# KiCad board GSTrackerOrderFile.kicad_pcb (continued)
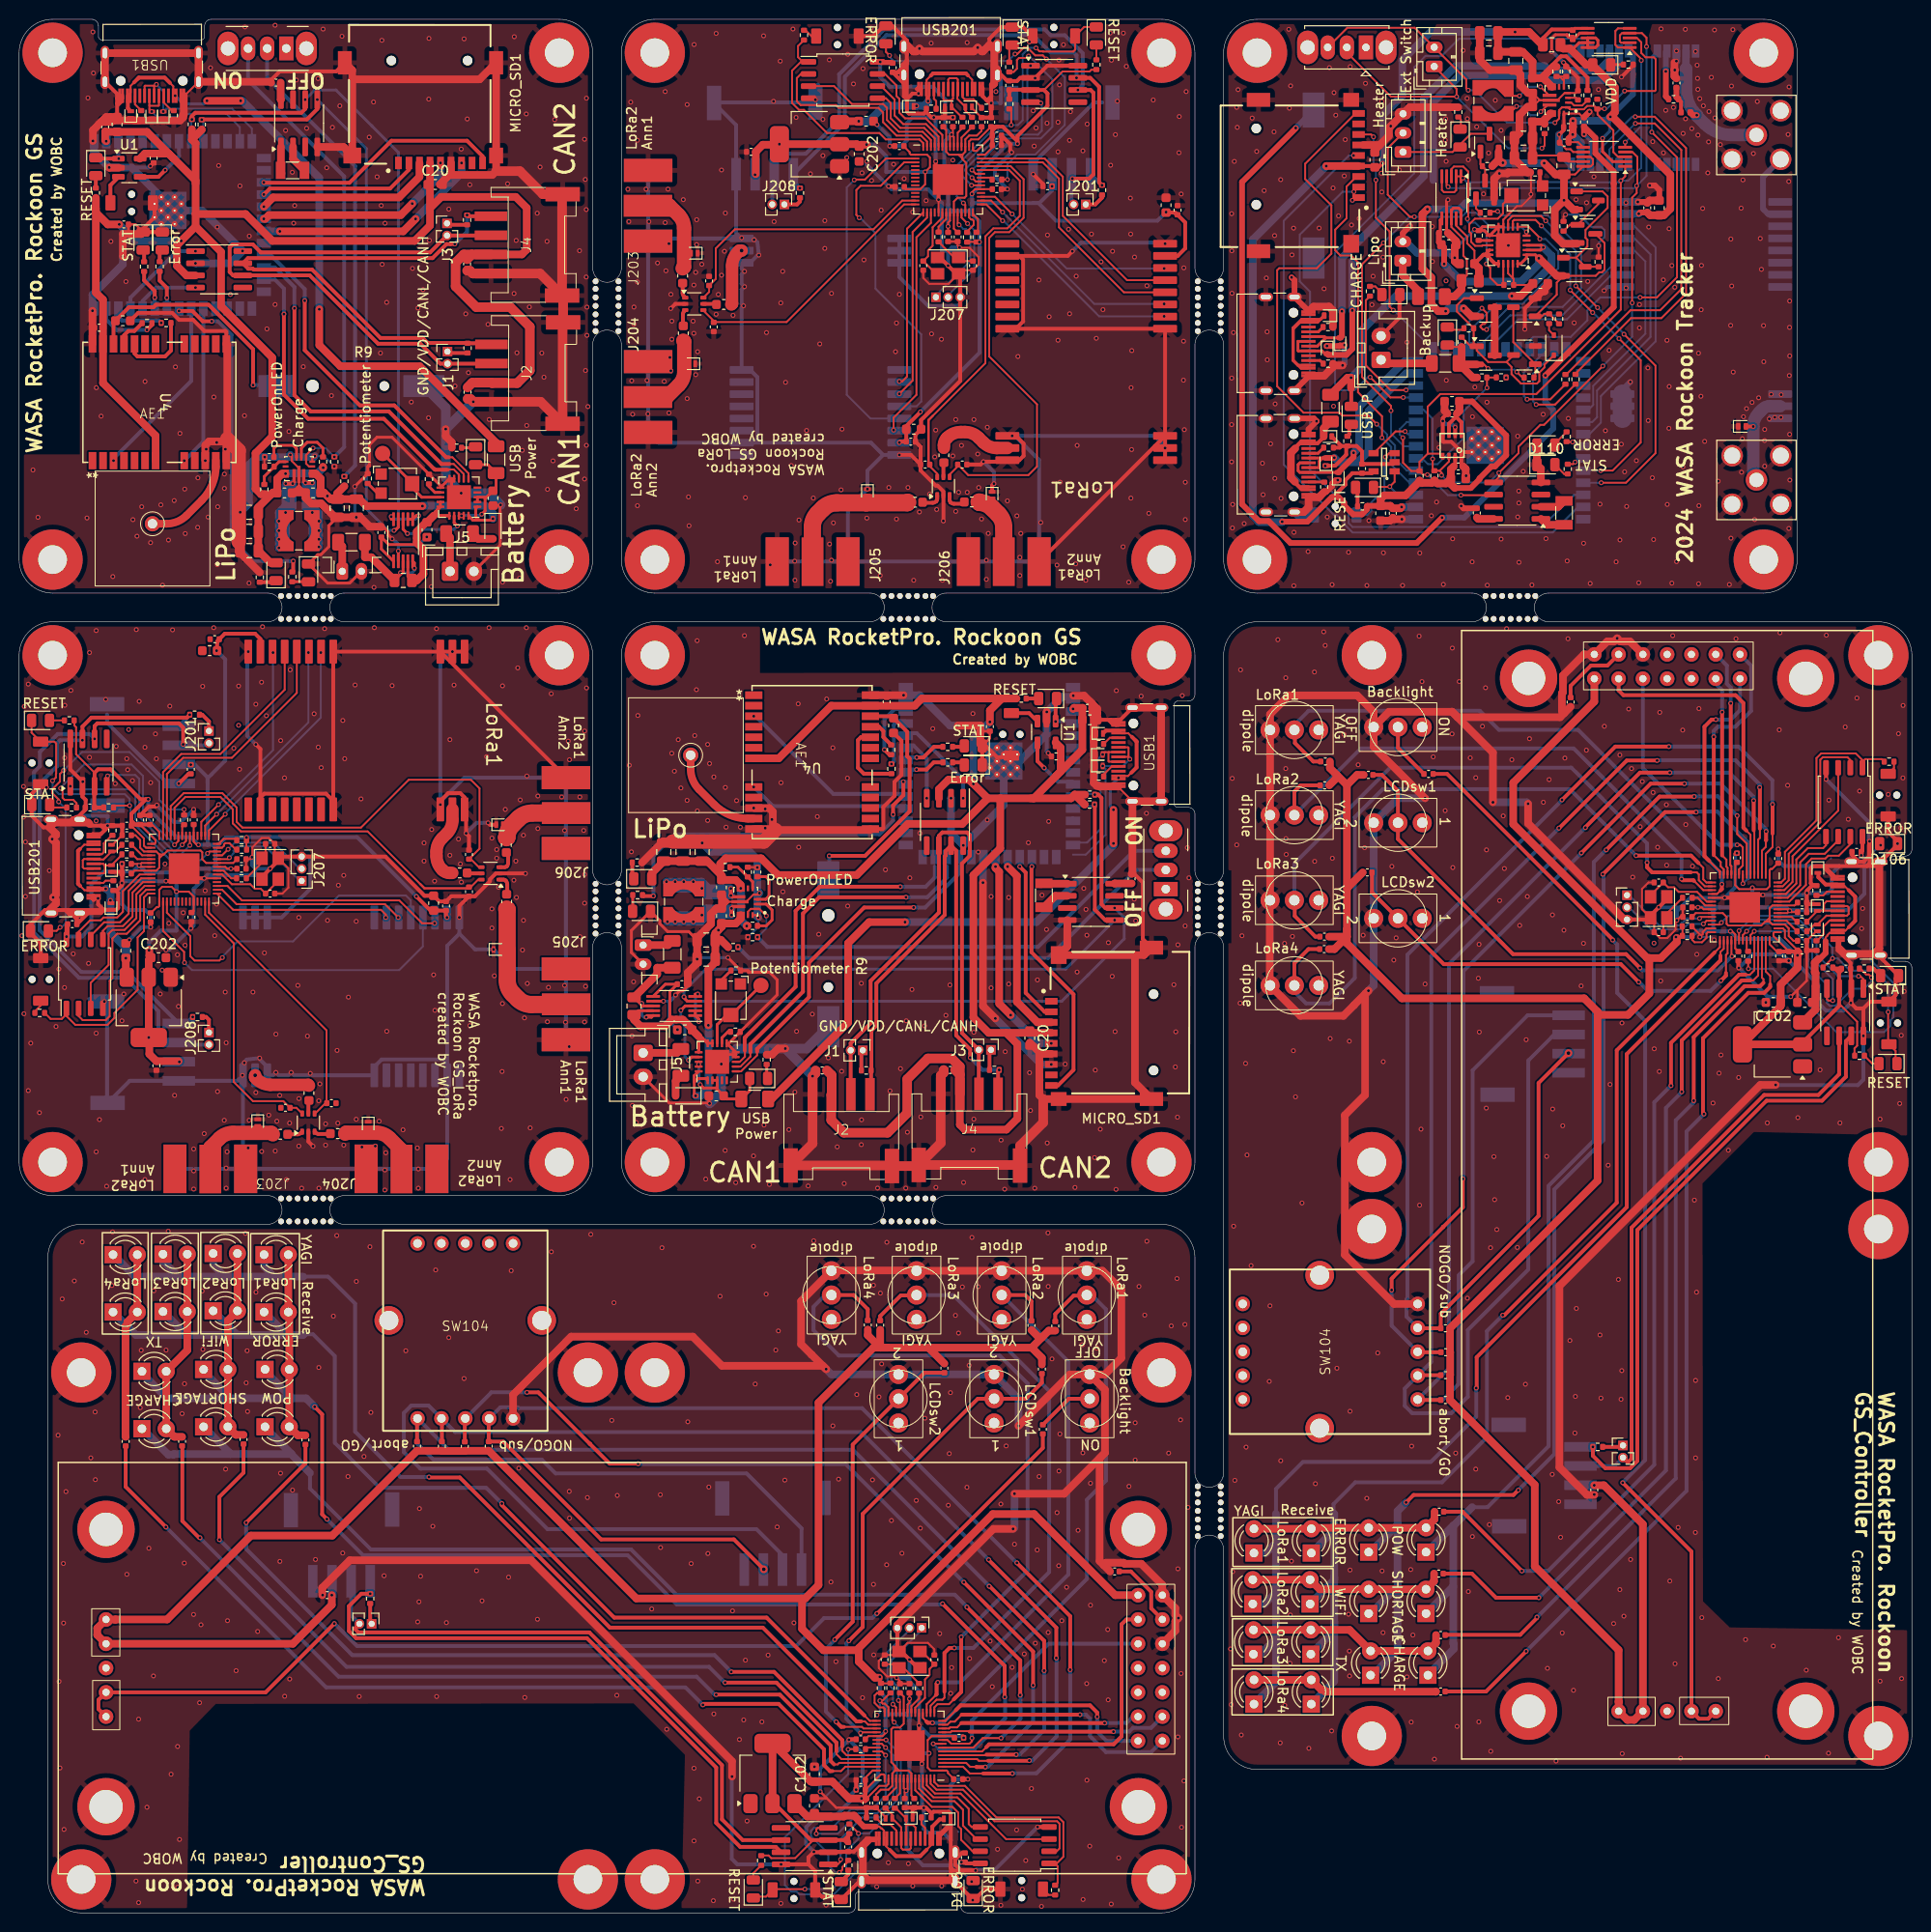
[diagram p0: board, top side]
## Placement (name value [footprint] x y rotation side) (continued)
J204  SMA  [SMA_aki]  62 158.5 0 top
J204#2  SMA  [SMA_aki]  40 74 90 top
J205  SMA  [SMA_aki]  61 95 180 top
J205#2  SMA  [SMA_aki]  83 137.5 90 top
J206  SMA  [SMA_aki]  103 137.5 90 top
J206#2  SMA  [SMA_aki]  61 115 180 top
J207  DEBUG  [PinHeader_1x03_P1.27mm_Vertical]  29.56 107.91 180 top
J207#2  DEBUG  [PinHeader_1x03_P1.27mm_Vertical]  95.9 168.94 90 top
J208  Jumper  [PinHeader_1x02_P1.27mm_Vertical]  80.05 178.64 270 top
J208#2  Jumper  [PinHeader_1x02_P1.27mm_Vertical]  19.86 92.05 0 top
J209  Conn_01x04_MountingPin  [Grove_4P_L_SMD]  78 185.5 0 bottom
J209#2  Conn_01x04_MountingPin  [Grove_4P_L_SMD]  13 90 90 bottom
L1  L  [L_Wuerth_WE-TPC-3816]  29.27 144.53 270 top
L1#2  L  [L_Wuerth_WE-TPC-3816]  69.52 105.73 180 top
L101  27nH, 300mA  [L_0402_1005Metric]  174.34 188.27 180 top
L102  L  [L_Wuerth_WE-TPC-3816]  154.2 189.5 180 top
lcd101  SC2004CSWB-XA-LB-G  [SC2004CSWB]  172.4 75.09 270 top
lcd101#2  SC2004CSWB-XA-LB-G  [SC2004CSWB]  63.09 25.6 180 top
LED1  USB Power  [LED_0805_2012Metric]  47.75 152.36 270 top
LED1#2  USB Power  [LED_0805_2012Metric]  77.36 87.25 180 top
LED2  CHARGE  [LED_0805_2012Metric]  30.27 140.11 270 top
LED2#2  CHARGE  [LED_0805_2012Metric]  65.11 104.72 180 top
LED3  VDD  [LED_0805_2012Metric]  65.24 108.12 0 top
LED3#2  VDD  [LED_0805_2012Metric]  26.88 140.24 90 top
LED101  USB Power  [LED_0805_2012Metric]  139.36 156.58 90 top
LED102  CHARGE  [LED_0805_2012Metric]  143.5 169.21 180 top
LED103  Backup Power  [LED_0805_2012Metric]  149.41 164.88 270 top
LED104  Heater  [LED_0805_2012Metric]  150.74 185.58 270 top
LED105  VDD  [LED_0805_2012Metric]  165.55 193.23 180 top
MICRO_SD1  -  [TF-01A]  115.15 93.09 90 top
MICRO_SD1#2  -  [TF-01A]  41.91 190.15 180 top
MICRO_SD101  -  [TF-01A]  132.95 181.59 270 top
NOREF  -  [unnamed]  62.7 166.25 90 top
NOREF#2  -  [unnamed]  30.92 135.3 0 top
NOREF#3  -  [unnamed]  125.7 39.4 90 top
NOREF#4  -  [unnamed]  62.7 107.6 90 top
NOREF#5  -  [unnamed]  92.14 135.3 0 top
NOREF#6  -  [unnamed]  60.3 106.81 90 top
NOREF#7  -  [unnamed]  125.7 41.14 90 top
NOREF#8  -  [unnamed]  93.92 72.3 0 top
NOREF#9  -  [unnamed#2]  77.6 96.97 0 top
NOREF#10  -  [unnamed]  125.7 104.14 90 top
NOREF#11  -  [unnamed]  90.4 137.7 0 top
NOREF#12  -  [unnamed]  60.3 170.6 90 top
NOREF#13  -  [unnamed]  92.14 72.3 0 top
NOREF#14  -  [unnamed]  62.7 103.25 90 top
NOREF#15  -  [unnamed]  125.7 102.4 90 top
NOREF#16  -  [unnamed]  30.92 74.7 0 top
NOREF#17  -  [unnamed]  123.3 42.92 90 top
NOREF#18  -  [unnamed]  125.7 40.25 90 top
NOREF#19  -  [unnamed]  60.3 105.92 90 top
NOREF#20  -  [unnamed]  125.7 107.6 90 top
NOREF#21  -  [unnamed]  90.4 135.3 0 top
NOREF#22  -  [unnamed]  60.3 102.4 90 top
NOREF#23  -  [unnamed]  125.7 168.92 90 top
NOREF#24  -  [unnamed]  31.81 74.7 0 top
NOREF#25  -  [unnamed]  62.7 165.4 90 top
NOREF#26  -  [unnamed]  91.25 137.7 0 top
NOREF#27  -  [unnamed]  62.7 167.14 90 top
NOREF#28  -  [unnamed]  94.81 135.3 0 top
NOREF#29  -  [unnamed]  123.3 43.81 90 top
NOREF#30  -  [unnamed]  29.14 74.7 0 top
NOREF#31  -  [unnamed]  95.6 137.7 0 top
NOREF#32  -  [unnamed]  95.6 72.3 0 top
NOREF#33  -  [unnamed]  62.7 104.14 90 top
NOREF#34  -  [unnamed]  156.92 135.3 0 top
NOREF#35  -  [unnamed]  31.81 137.7 0 top
NOREF#36  -  [unnamed]  123.3 103.25 90 top
NOREF#37  -  [unnamed]  123.3 105.92 90 top
NOREF#38  -  [unnamed]  125.7 42.03 90 top
NOREF#39  -  [unnamed]  29.14 137.7 0 top
NOREF#40  -  [unnamed]  125.7 42.92 90 top
NOREF#41  -  [unnamed]  153.4 137.7 0 top
NOREF#42  -  [unnamed]  158.6 135.3 0 top
NOREF#43  -  [unnamed]  123.3 169.81 90 top
NOREF#44  -  [unnamed]  93.92 137.7 0 top
NOREF#45  -  [unnamed]  62.7 102.4 90 top
NOREF#46  -  [unnamed]  62.7 170.6 90 top
NOREF#47  -  [unnamed]  93.03 72.3 0 top
NOREF#48  -  [unnamed]  90.4 74.7 0 top
NOREF#49  -  [unnamed]  30.92 72.3 0 top
NOREF#50  -  [unnamed]  123.3 44.6 90 top
NOREF#51  -  [unnamed]  62.7 168.03 90 top
NOREF#52  -  [unnamed]  123.3 167.14 90 top
NOREF#53  -  [unnamed]  28.25 137.7 0 top
NOREF#54  -  [unnamed]  60.3 167.14 90 top
NOREF#55  -  [unnamed]  153.4 135.3 0 top
NOREF#56  -  [unnamed]  30.92 137.7 0 top
NOREF#57  -  [unnamed]  125.7 106.81 90 top
NOREF#58  -  [unnamed]  154.25 137.7 0 top
NOREF#59  -  [unnamed]  123.3 170.6 90 top
NOREF#60  -  [unnamed#2]  38.02 152.6 90 top
NOREF#61  -  [unnamed]  125.7 168.03 90 top
NOREF#62  -  [unnamed]  123.3 105.03 90 top
NOREF#63  -  [unnamed]  30.03 74.7 0 top
NOREF#64  -  [unnamed]  62.7 106.81 90 top
NOREF#65  -  [unnamed]  60.3 168.03 90 top
NOREF#66  -  [unnamed]  32.6 135.3 0 top
NOREF#67  -  [unnamed]  125.7 166.25 90 top
NOREF#68  -  [unnamed]  60.3 103.25 90 top
NOREF#69  -  [unnamed]  92.14 74.7 0 top
NOREF#70  -  [unnamed]  157.81 135.3 0 top
NOREF#71  -  [unnamed]  125.7 105.92 90 top
NOREF#72  -  [unnamed]  29.14 72.3 0 top
NOREF#73  -  [unnamed]  93.03 135.3 0 top
NOREF#74  -  [unnamed]  60.3 104.14 90 top
NOREF#75  -  [unnamed]  123.3 42.03 90 top
NOREF#76  -  [unnamed]  95.6 74.7 0 top
NOREF#77  -  [unnamed]  31.81 135.3 0 top
NOREF#78  -  [unnamed]  27.4 72.3 0 top
NOREF#79  -  [unnamed]  93.92 135.3 0 top
NOREF#80  -  [unnamed]  60.3 107.6 90 top
NOREF#81  -  [unnamed]  123.3 41.14 90 top
NOREF#82  -  [unnamed]  28.25 74.7 0 top
NOREF#83  -  [unnamed]  123.3 166.25 90 top
NOREF#84  -  [unnamed]  123.3 106.81 90 top
NOREF#85  -  [unnamed]  125.7 170.6 90 top
NOREF#86  -  [unnamed]  125.7 105.03 90 top
NOREF#87  -  [unnamed]  157.81 137.7 0 top
NOREF#88  -  [unnamed]  123.3 165.4 90 top
NOREF#89  -  [unnamed]  30.03 135.3 0 top
NOREF#90  -  [unnamed]  125.7 165.4 90 top
NOREF#91  -  [unnamed]  155.14 137.7 0 top
NOREF#92  -  [unnamed]  32.6 72.3 0 top
NOREF#93  -  [unnamed]  125.7 103.25 90 top
NOREF#94  -  [unnamed]  93.92 74.7 0 top
NOREF#95  -  [unnamed]  92.14 137.7 0 top
NOREF#96  -  [unnamed]  123.3 104.14 90 top
NOREF#97  -  [unnamed]  91.25 135.3 0 top
NOREF#98  -  [unnamed]  95.6 135.3 0 top
NOREF#99  -  [unnamed]  60.3 166.25 90 top
NOREF#100  -  [unnamed]  94.81 137.7 0 top
NOREF#101  -  [unnamed]  155.14 135.3 0 top
NOREF#102  -  [unnamed]  123.3 40.25 90 top
NOREF#103  -  [unnamed]  93.03 137.7 0 top
NOREF#104  -  [unnamed]  156.03 137.7 0 top
NOREF#105  -  [unnamed]  125.7 169.81 90 top
NOREF#106  -  [unnamed]  123.3 39.4 90 top
NOREF#107  -  [unnamed]  90.4 72.3 0 top
NOREF#108  -  [unnamed]  91.25 72.3 0 top
NOREF#109  -  [unnamed]  60.3 105.03 90 top
NOREF#110  -  [unnamed]  91.25 74.7 0 top
NOREF#111  -  [unnamed]  125.7 44.6 90 top
NOREF#112  -  [unnamed]  156.03 135.3 0 top
NOREF#113  -  [unnamed]  60.3 168.92 90 top
NOREF#114  -  [unnamed]  28.25 72.3 0 top
NOREF#115  -  [unnamed]  29.14 135.3 0 top
NOREF#116  -  [unnamed]  62.7 169.81 90 top
NOREF#117  -  [unnamed]  125.7 167.14 90 top
NOREF#118  -  [unnamed]  60.3 169.81 90 top
NOREF#119  -  [unnamed]  123.3 168.92 90 top
NOREF#120  -  [unnamed]  94.81 74.7 0 top
NOREF#121  -  [unnamed]  125.7 43.81 90 top
NOREF#122  -  [unnamed]  27.4 74.7 0 top
NOREF#123  -  [unnamed]  32.6 74.7 0 top
NOREF#124  -  [unnamed]  123.3 107.6 90 top
NOREF#125  -  [unnamed]  30.03 137.7 0 top
NOREF#126  -  [unnamed]  28.25 135.3 0 top
NOREF#127  -  [unnamed]  60.3 165.4 90 top
NOREF#128  -  [unnamed]  158.6 137.7 0 top
NOREF#129  -  [unnamed]  27.4 137.7 0 top
NOREF#130  -  [unnamed]  94.81 72.3 0 top
NOREF#131  -  [unnamed]  93.03 74.7 0 top
NOREF#132  -  [unnamed]  62.7 105.92 90 top
NOREF#133  -  [unnamed]  30.03 72.3 0 top
NOREF#134  -  [unnamed]  123.3 102.4 90 top
NOREF#135  -  [unnamed]  62.7 168.92 90 top
NOREF#136  -  [unnamed]  62.7 105.03 90 top
NOREF#137  -  [unnamed]  31.81 72.3 0 top
NOREF#138  -  [unnamed]  156.92 137.7 0 top
NOREF#139  -  [unnamed]  154.25 135.3 0 top
NOREF#140  -  [unnamed]  32.6 137.7 0 top
NOREF#141  -  [unnamed]  123.3 168.03 90 top
NOREF#142  -  [unnamed]  27.4 135.3 0 top
Q101  Q_NMOS_GSD  [SOT-23-3]  157.47 162.89 180 top
Q102  Q_NMOS_GSD  [SOT-23-3]  157.45 167.89 180 top
Q103  Q_PMOS_GSD  [SOT-23]  153.42 162.86 0 top
Q104  Q_PMOS_GSD  [SOT-23]  153.43 167.89 0 top
Q105  Q_PNP_BEC  [SOT-23-3]  164.07 179.05 0 top
Q106  Q_PNP_BEC  [SOT-23-3]  162.69 172.12 0 top
Q107  Q_PMOS_GSD  [SOT-23]  163.96 175.56 0 top
Q108  Q_NPN_BEC  [SOT-23]  153.35 180.2 90 top
Q109  Q_PMOS_GSD  [SOT-23]  153.82 185.09 90 top
R1  22k  [R_0402_1005Metric]  16.17 187.94 270 top
R1#2  22k  [R_0402_1005Metric]  112.94 118.82 180 top
R2  22k  [R_0402_1005Metric]  12.77 187.94 270 top
R2#2  22k  [R_0402_1005Metric]  112.94 122.22 180 top
R3  470  [R_0402_1005Metric]  104.84 126.97 0 top
R3#2  470  [R_0402_1005Metric]  8.02 179.84 90 top
R4  470  [R_0402_1005Metric]  97.15 120.3 0 top
R4#2  470  [R_0402_1005Metric]  14.7 172.15 90 top
R5  10k  [R_0402_1005Metric]  112.01 116.93 0 top
R5#2  10k  [R_0402_1005Metric]  18.08 187.01 90 top
R6  470  [R_0402_1005Metric]  13.08 172.14 90 top
R6#2  470  [R_0402_1005Metric]  97.14 121.93 0 top
R7  10k  [R_0402_1005Metric]  19.1 186.99 90 top
R7#2  10k  [R_0402_1005Metric]  111.99 115.9 0 top
R8  33  [R_0402_1005Metric]  13.38 166.22 180 top
R8#2  33  [R_0402_1005Metric]  91.23 121.62 90 top
R9  33  [R_0402_1005Metric]  91.25 119.62 270 top
R9#2  33  [R_0402_1005Metric]  15.38 166.25 0 top
R10  120  [R_0402_1005Metric]  46.91 163.62 90 top
R10#2  120  [R_0402_1005Metric]  88.62 88.09 0 top
R11  120  [R_0402_1005Metric]  46.86 177.02 90 top
R11#2  120  [R_0402_1005Metric]  102.02 88.14 0 top
R12  1k  [R_0402_1005Metric]  78.2 89.22 90 top
R12#2  1k  [R_0402_1005Metric]  45.77 153.2 180 top
R13  1k  [R_0402_1005Metric]  74.98 98.53 0 top
R13#2  1k  [R_0402_1005Metric]  36.47 149.97 90 top
R14  100k  [R_0402_1005Metric]  74.92 92.13 0 top
R14#2  100k  [R_0402_1005Metric]  42.87 149.93 90 top
R15  10k  [R_0402_1005Metric]  74.69 100.97 0 top
R15#2  10k  [R_0402_1005Metric]  34.02 149.69 90 top
R16  1k  [R_0402_1005Metric]  28.58 139.7 90 top
R16#2  1k  [R_0402_1005Metric]  64.7 106.43 0 top
R17  100k  [R_0402_1005Metric]  32.98 151.74 270 top
R17#2  100k  [R_0402_1005Metric]  76.74 102.03 180 top
R18  50mΩ  [R_0805_2012Metric]  64.33 94.82 90 top
R18#2  50mΩ  [R_0805_2012Metric]  40.18 139.32 180 top
R19  100k  [R_0402_1005Metric]  31.79 151.72 90 top
R19#2  100k  [R_0402_1005Metric]  76.73 103.21 0 top
R20  15k  [R_0402_1005Metric]  26.17 151.22 0 top
R20#2  15k  [R_0402_1005Metric]  76.23 108.83 270 top
R21  47k  [R_0402_1005Metric]  25.65 148.85 270 top
R21#2  47k  [R_0402_1005Metric]  73.85 109.35 180 top
R22  1k  [R_0402_1005Metric]  64.65 109.82 0 top
R22#2  1k  [R_0402_1005Metric]  25.17 139.65 90 top
R101  10k  [R_0402_1005Metric]  86.85 8.78 90 top
R101#2  22k  [R_0402_1005Metric]  136.92 165.82 0 top
R101#3  10k  [R_0402_1005Metric]  189.22 98.85 180 top
R102  1k  [R_0402_1005Metric]  192.53 89.63 0 top
R102#2  1k  [R_0402_1005Metric]  77.63 5.47 270 top
R102#3  22k  [R_0402_1005Metric]  136.93 161.99 0 top
R103  22k  [R_0402_1005Metric]  188.02 101.14 270 top
R103#2  10  [R_0402_1005Metric]  173.07 189.64 0 top
R103#3  22k  [R_0402_1005Metric]  89.14 9.98 180 top
R104  22k  [R_0402_1005Metric]  188.02 106.9 90 top
R104#2  22k  [R_0402_1005Metric]  94.9 9.98 0 top
R104#3  33  [R_0402_1005Metric]  162.81 160.36 90 top
R105  33  [R_0402_1005Metric]  161.76 160.35 90 top
R105#2  1k  [R_0402_1005Metric]  108.38 2.38 270 top
R105#3  1k  [R_0402_1005Metric]  195.62 120.38 0 top
R106  22k  [R_0402_1005Metric]  136.98 153.21 0 top
R107  22k  [R_0402_1005Metric]  136.53 149.09 270 top
R108  470  [R_0402_1005Metric]  140.52 147.07 180 top
R108#2  1k  [R_0402_1005Metric]  174.52 106.14 0 top
R108#3  1k  [R_0402_1005Metric]  94.14 23.48 270 top
R109  470  [R_0402_1005Metric]  161.88 154.35 90 top
R109#2  10k  [R_0402_1005Metric]  91.15 23.51 270 top
R109#3  10k  [R_0402_1005Metric]  174.49 103.15 0 top
R110  1k  [R_0402_1005Metric]  86.74 4.98 270 top
R110#2  1k  [R_0402_1005Metric]  193.02 98.74 0 top
R110#3  10k  [R_0402_1005Metric]  146.49 150.26 90 top
R111  10k  [R_0402_1005Metric]  90.16 23.5 270 top
R111#2  10k  [R_0402_1005Metric]  174.5 102.16 0 top
R111#3  470  [R_0402_1005Metric]  162 150.97 270 top
R112  1k  [R_0402_1005Metric]  180.88 100.03 270 top
R112#2  1k  [R_0402_1005Metric]  88.03 17.12 180 top
R112#3  10k  [R_0402_1005Metric]  148.05 150.28 90 top
R113  47k  [C_0402_1005Metric]  107.09 50.56 270 top
R113#2  47k  [C_0402_1005Metric]  147.44 119.09 0 top
R113#3  1k  [R_0402_1005Metric]  138.95 153.89 270 top
R114  1k  [C_0402_1005Metric]  114.6 35.7 0 top
R114#2  1k  [R_0402_1005Metric]  141.31 169.56 270 top
R114#3  1k  [C_0402_1005Metric]  162.3 126.6 90 top
R115  1k  [R_0402_1005Metric]  158.59 181.99 180 top
R115#2  1k  [C_0402_1005Metric]  11.15 49.3 90 top
R115#3  1k  [C_0402_1005Metric]  148.7 23.15 180 top
R116  1k  [C_0402_1005Metric]  17.05 49.3 90 top
R116#2  47k  [R_0402_1005Metric]  153.03 160.54 0 top
R116#3  1k  [C_0402_1005Metric]  148.7 29.05 180 top
R117  10k  [R_0402_1005Metric]  155.04 160.55 0 top
R117#2  1k  [C_0402_1005Metric]  148.5 35.47 180 top
R117#3  1k  [C_0402_1005Metric]  23.48 49.5 90 top
R118  100k  [R_0402_1005Metric]  152.68 175.39 90 top
R118#2  1k  [C_0402_1005Metric]  29.95 49.46 90 top
R118#3  1k  [C_0402_1005Metric]  148.54 41.95 180 top
R119  1k  [R_0402_1005Metric]  151.65 165.69 180 top
R119#2  47k  [C_0402_1005Metric]  149.2 61.12 180 top
R119#3  47k  [C_0402_1005Metric]  49.12 48.8 90 top
R120  47k  [C_0402_1005Metric]  149.22 58.62 180 top
R120#2  47k  [C_0402_1005Metric]  46.62 48.78 90 top
R120#3  100k  [R_0402_1005Metric]  155.83 170.22 180 top
R121  100k  [R_0402_1005Metric]  157.95 160.53 0 top
R121#2  47k  [C_0402_1005Metric]  44.23 48.8 90 top
R121#3  47k  [C_0402_1005Metric]  149.2 56.22 180 top
R122  47k  [C_0402_1005Metric]  41.62 48.8 90 top
R122#2  47k  [C_0402_1005Metric]  149.2 53.62 180 top
R122#3  100k  [R_0402_1005Metric]  150.9 164.25 90 top
R123  47k  [C_0402_1005Metric]  141.14 118.99 0 top
R123#2  10k  [R_0402_1005Metric]  160.05 166.69 90 top
R123#3  47k  [C_0402_1005Metric]  106.99 56.86 270 top
R124  47k  [C_0402_1005Metric]  141.04 108.79 0 top
R124#2  47k  [C_0402_1005Metric]  96.79 56.96 270 top
R124#3  100k  [R_0402_1005Metric]  161.09 166.67 90 top
R125  100k  [R_0402_1005Metric]  161.56 176.36 90 top
R125#2  47k  [C_0402_1005Metric]  136.64 120.39 180 top
R125#3  47k  [C_0402_1005Metric]  108.39 61.36 90 top
R126  47k  [C_0402_1005Metric]  136.58 117.9 180 top
R126#2  100k  [R_0402_1005Metric]  165.23 172.63 90 top
R126#3  47k  [C_0402_1005Metric]  105.9 61.43 90 top
R127  10k  [R_0402_1005Metric]  153.36 177.77 0 top
R127#2  47k  [C_0402_1005Metric]  90.08 61.45 90 top
R127#3  47k  [C_0402_1005Metric]  136.55 102.07 180 top
R128  100k  [R_0402_1005Metric]  153.58 182.64 180 top
R128#2  47k  [C_0402_1005Metric]  88.77 61.47 90 top
R128#3  47k  [C_0402_1005Metric]  136.53 100.78 180 top
R129  120  [R_0402_1005Metric]  36.73 32.86 90 top
R129#2  120  [R_0402_1005Metric]  165.14 48.72 180 top
R129#3  1k  [R_0402_1005Metric]  150.55 188.29 270 top
R130  50mΩ  [R_0805_2012Metric]  161.6 182.69 90 top
R131  10k  [R_0402_1005Metric]  159.58 186.55 90 top
R132  330k  [R_0402_1005Metric]  165.09 189.13 90 top
R133  50mΩ  [R_0805_2012Metric]  151.79 170.66 180 top
R134  100k  [R_0402_1005Metric]  164.07 190.05 270 top
R135  15k  [R_0402_1005Metric]  161.84 192.53 270 top
R136  47k  [R_0402_1005Metric]  160.83 192.53 90 top
R137  50mΩ  [R_0805_2012Metric]  160.32 195.33 0 top
R138  1k  [R_0402_1005Metric]  168.34 193.26 0 top
R201  120  [R_0402_1005Metric]  113.28 180.14 90 top
R201#2  120  [R_0402_1005Metric]  18.36 125.28 180 top
R202  10k  [R_0402_1005Metric]  103.58 189.14 270 top
R202#2  10k  [R_0402_1005Metric]  9.36 115.58 0 top
R203  1k  [R_0402_1005Metric]  112.69 193.25 90 top
R203#2  1k  [R_0402_1005Metric]  5.25 124.69 180 top
R204  22k  [R_0402_1005Metric]  9.76 113.18 90 top
R204#2  22k  [R_0402_1005Metric]  101.18 188.74 0 top
R205  22k  [R_0402_1005Metric]  95.42 188.64 180 top
R205#2  22k  [R_0402_1005Metric]  9.86 107.42 270 top
R206  1k  [R_0402_1005Metric]  82.11 196.34 90 top
R206#2  1k  [R_0402_1005Metric]  2.16 94.1 180 top
R207  22.4  [R_0402_1005Metric]  11.26 110.68 0 top
R207#2  22.4  [R_0402_1005Metric]  98.68 187.24 270 top
R207#3  22.4  [R_0402_1005Metric]  91.61 11.46 90 top
R207#4  22.4  [R_0402_1005Metric]  186.5 103.64 180 top
R208  22.4  [R_0402_1005Metric]  11.26 111.68 0 top
R208#2  22.4  [R_0402_1005Metric]  90.63 11.47 90 top
R208#3  22.4  [R_0402_1005Metric]  186.5 102.64 180 top
R208#4  22.4  [R_0402_1005Metric]  99.68 187.24 270 top
R209  1k  [R_0402_1005Metric]  96.18 175.24 90 top
R209#2  1k  [R_0402_1005Metric]  23.26 108.18 180 top
R210  10k  [R_0402_1005Metric]  99.17 175.21 90 top
R210#2  10k  [R_0402_1005Metric]  23.29 111.17 180 top
R211  1k  [R_0402_1005Metric]  5.49 115.58 180 top
R211#2  1k  [R_0402_1005Metric]  103.58 193.01 90 top
R212  10k  [R_0402_1005Metric]  23.28 112.16 180 top
R212#2  10k  [R_0402_1005Metric]  100.16 175.22 90 top
R213  1k  [R_0402_1005Metric]  102.29 181.24 0 top
R213#2  1k  [R_0402_1005Metric]  17.26 114.29 90 top
R214  120  [R_0402_1005Metric]  18.66 93.68 180 top
R214#2  120  [R_0402_1005Metric]  81.68 179.84 90 top
REF**  -  [Board_1U_60x60]  30 105 90 top
REF**#2  -  [Board_2U_120x60]  63 30 180 top
REF**#3  -  [Board_1U_60x60]  156 168 0 top
REF**#4  -  [Board_1U_60x60]  93 168 0 top
REF**#5  -  [Board_1U_60x60]  30 168 90 top
REF**#6  -  [Board_2U_120x60]  168 75 270 top
REF**#7  -  [Board_1U_60x60]  93 105 0 top
RV1  10k  [Potentiometer_Bourns_TC33X_Vertical]  39.67 149.45 0 top
RV1#2  10k  [Potentiometer_Bourns_TC33X_Vertical]  74.45 95.33 270 top
RV101  10k  [Potentiometer_Bourns_TC33X_Vertical]  157.57 179.57 180 top
SW1  RESET_sw  [TVAF06-A020B-R]  103.8 123.22 180 top
SW1#2  RESET_sw  [TVAF06-A020B-R]  11.77 178.8 270 top
SW2  Power Switch  [SW_Slide_SPDT_Angled_CK_OS102011MA1Q]  119.95 107.05 90 top
SW2#2  Power Switch  [SW_Slide_SPDT_Angled_CK_OS102011MA1Q]  27.95 194.95 180 top
SW101  RESET_sw  [TVAF06-A020B-R]  195.6 93.05 0 top
SW101#2  RESET_sw  [TVAF06-A020B-R]  81.05 2.4 270 top
SW101#3  RESET  [TVAF06-A020B-R]  137.68 146.16 270 bottom
SW102  BOOT0  [TVAF06-A020B-R]  104.88 2.48 270 top
SW102#2  Power Switch  [SW_Slide_SPDT_Straight_CK_OS102011MS2Q]  140.89 195.06 180 top
SW102#3  BOOT0  [TVAF06-A020B-R]  195.52 116.88 0 top
SW103  sw1  [ToggleSwitch]  111.99 53.76 180 top
SW103#2  sw1  [ToggleSwitch]  144.24 123.99 270 top
SW104  ~  [RotarySwitch_2x04]  46.67 60.85 0 top
SW104#2  ~  [RotarySwitch_2x04]  137.15 58.68 90 top
SW105  sw1  [ToggleSwitch]  93.88 64.6 180 top
SW105#2  sw1  [ToggleSwitch]  133.4 105.88 270 top
SW106  sw1  [ToggleSwitch]  133.4 96.97 270 top
SW106#2  sw1  [ToggleSwitch]  84.98 64.6 180 top
SW107  sw1  [ToggleSwitch]  133.4 123.69 270 top
SW107#2  sw1  [ToggleSwitch]  111.69 64.6 180 top
SW108  sw1  [ToggleSwitch]  102.78 64.6 180 top
SW108#2  sw1  [ToggleSwitch]  133.4 114.78 270 top
SW109  sw1  [ToggleSwitch]  144.24 103.99 270 top
SW109#2  sw1  [ToggleSwitch]  91.99 53.76 180 top
SW110  sw1  [ToggleSwitch]  144.24 113.99 270 top
SW110#2  sw1  [ToggleSwitch]  101.99 53.76 180 top
SW201  RESET_sw  [TVAF06-A020B-R]  108.24 196.25 90 top
SW201#2  RESET_sw  [TVAF06-A020B-R]  2.25 120.24 180 top
SW202  BOOT0  [TVAF06-A020B-R]  85.61 196.24 90 top
SW202#2  BOOT0  [TVAF06-A020B-R]  2.26 97.6 180 top
Switch201  XA17-G4K1  [SOT-363_SC-70-6]  70.63 168.24 0 top
Switch201#2  XA17-G4K1  [SOT-363_SC-70-6]  30.26 82.63 90 top
Switch202  XA17-G4K1  [SOT-363_SC-70-6]  96.69 149.19 90 top
Switch202#2  XA17-G4K1  [SOT-363_SC-70-6]  49.31 108.69 180 top
U1  TPS3820  [SOT-23-5]  11.52 182.47 0 top
U1#2  TPS3820  [SOT-23-5]  107.48 123.47 270 top
U2  SN65HVD230  [SOIC-8_3.9x4.9mm_P1.27mm]  20.92 171.85 0 top
U2#2  SN65HVD230  [SOIC-8_3.9x4.9mm_P1.27mm]  96.85 114.07 270 top
U3  -  [ESP32-S3-WROOM-1]  101.5 122.9 180 bottom
U3#2  -  [ESP32-S3-WROOM-1]  13.1 176.5 270 bottom
U4  NEO-M9N-00B  [ATGM332D-5N31]  15.27 157.95 270 top
U4#2  NEO-M9N-00B  [ATGM332D-5N31]  82.95 119.72 180 top
U5  MCP73871-1CC  [QFN-20-1EP_4x4mm_P0.5mm_EP2.5x2.5mm]  46.01 148.03 180 top
U5#2  MCP73871-1CC  [QFN-20-1EP_4x4mm_P0.5mm_EP2.5x2.5mm]  73.02 88.99 90 top
U6  TPS63070RNMR  [VREG_TPS63070RNMR]  76.01 105.73 180 top
U6#2  TPS63070RNMR  [VREG_TPS63070RNMR]  29.27 151.01 270 top
U7  INA226  [VSSOP-10_3x3mm_P0.5mm]  68.52 94.83 180 top
U7#2  INA226  [VSSOP-10_3x3mm_P0.5mm]  40.17 143.53 270 top
U8  PCF8563T  [SOIC-8_3.9x4.9mm_P1.27mm]  29.29 187.12 90 top
U8#2  PCF8563T  [SOIC-8_3.9x4.9mm_P1.27mm]  112.12 105.71 0 top
U101  AMS1117-3.3  [SOT-223-3_TabPin2]  183.42 90.81 180 top
U101#2  ~  [BME280]  149.9 153.44 270 top
U101#3  AMS1117-3.3  [SOT-223-3_TabPin2]  78.81 14.57 90 top
U102  PCF8563T  [SOIC-8_3.9x4.9mm_P1.27mm]  156.72 147.67 180 top
U102#2  SN65HVD230  [SOIC-8_3.9x4.9mm_P1.27mm]  82.18 6.98 180 top
U102#3  SN65HVD230  [SOIC-8_3.9x4.9mm_P1.27mm]  191.02 94.18 270 top
U103  W25Q128JVS  [SOIC-8_5.23x5.23mm_P1.27mm]  190.92 116.14 270 top
U103#2  W25Q128JVS  [SOIC-8_5.23x5.23mm_P1.27mm]  104.14 7.08 180 top
U103#3  -  [E220-900T22S(JP)]  175.97 156.27 180 bottom
U104  RP2040  [QFN-56-1EP_7x7mm_P0.4mm_EP3.2x3.2mm]  93.14 17.48 180 top
U104#2  RP2040  [QFN-56-1EP_7x7mm_P0.4mm_EP3.2x3.2mm]  180.52 105.14 270 top
U104#3  NEO-M9N-00B  [SMT_9N-00B_UBL]  168.87 188.76 90 bottom
U105  TPS3820  [SOT_23_5]  142.79 151.68 180 top
U106  -  [ESP32-S3-WROOM-1]  154.87 150.99 0 bottom
U107  MCP73871-1CC  [QFN-20-1EP_4x4mm_P0.5mm_EP2.5x2.5mm]  155.76 174.37 180 top
U108  INA226  [VSSOP-10_3x3mm_P0.5mm]  165.81 183.62 180 top
U109  INA226  [VSSOP-10_3x3mm_P0.5mm]  149.83 179.38 270 top
U110  TPS63070RNMR  [VREG_TPS63070RNMR]  160.87 189.54 180 top
U111  INA226  [VSSOP-10_3x3mm_P0.5mm]  166.28 196.05 180 top
U201  AMS1117-3.3  [SOT-223-3_TabPin2]  82.68 184.94 180 top
U201#2  AMS1117-3.3  [SOT-223-3_TabPin2]  13.56 94.68 270 top
U202  -  [E220-900T22S(JP)]  83.83 175.08 0 bottom
U202#2  -  [E220-900T22S(JP)]  23.42 95.83 90 bottom
U203  -  [E220-900T22S(JP)]  111.63 151.9 0 top
U203#2  -  [E220-900T22S(JP)]  46.6 123.63 90 top
U204  SN65HVD230  [SOIC-8_3.9x4.9mm_P1.27mm]  7.26 120.28 90 top
U204#2  SN65HVD230  [SOIC-8_3.9x4.9mm_P1.27mm]  108.28 191.24 0 top
U205  W25Q128JVS  [SOIC-8_5.23x5.23mm_P1.27mm]  6.85 98.18 90 top
U205#2  W25Q128JVS  [SOIC-8_5.23x5.23mm_P1.27mm]  86.18 191.65 0 top
U206  RP2040  [QFN-56-1EP_7x7mm_P0.4mm_EP3.2x3.2mm]  17.26 109.18 90 top
U206#2  RP2040  [QFN-56-1EP_7x7mm_P0.4mm_EP3.2x3.2mm]  97.18 181.24 0 top
USB1  USB_C_Receptacle_USB2.0  [USB_C_TYPEC-301S-ACP16X7]  118.67 121.12 90 top
USB1#2  USB_C_Receptacle_USB2.0  [USB_C_TYPEC-301S-ACP16X7]  13.88 193.68 180 top
USB101  USB_C_Receptacle_USB2.0  [USB_C_TYPEC-301S-ACP16X7]  193.9 105.03 90 top
USB101#2  USB_C_Receptacle_USB2.0  [USB_C_TYPEC-301S-ACP16X7]  93.02 4.1 0 top
USB101#3  USB_C_Receptacle_USB2.0  [USB_C_TYPEC-301S-ACP16X7]  131.21 164.07 270 top
USB102  USB_C_Receptacle_USB2.0  [USB_C_TYPEC-301S-ACP16X7]  131.22 151.37 270 top
USB201  USB_C_Receptacle_USB2.0  [USB_C_TYPEC-301S-ACP16X7]  97.45 194.38 180 top
USB201#2  USB_C_Receptacle_USB2.0  [USB_C_TYPEC-301S-ACP16X7]  4.12 109.44 270 top
Y1  Crystal  [Crystal_SMD_3215-2Pin_3.2x1.5mm]  28.6 182.2 180 top
Y1#2  Crystal  [Crystal_SMD_3215-2Pin_3.2x1.5mm]  107.2 106.4 90 top
Y101  Crystal_GND24  [Crystal_SMD_3225-4Pin_3.2x2.5mm]  93.14 26.48 0 top
Y101#2  Crystal_GND24  [Crystal_SMD_3225-4Pin_3.2x2.5mm]  171.52 105.14 90 top
Y101#3  Crystal  [Crystal_SMD_3215-2Pin_3.2x1.5mm]  161.62 146.39 270 top
Y201  Crystal_GND24  [Crystal_SMD_3225-4Pin_3.2x2.5mm]  26.26 109.18 270 top
Y201#2  Crystal_GND24  [Crystal_SMD_3225-4Pin_3.2x2.5mm]  97.18 172.24 180 top

## Library data of the parts
AE1 AE1#2 = -: LCSC: C784391
BT1 BT1#2 = -: Description: Multiple-cell battery
BT101 = -: Description: Single-cell battery
C1 C1#2 C4 C4#2 C20 C20#2 C101#2 C104#2 C105#2 C107#3 C113 C115#3 C117#2 C118#2 C122 C124 C209 C209#2 C216 C216#2 = -: LCSC: C96446
C2 C2#2 C3 C3#2 C5 C5#2 C6 C6#2 C7 C7#2 C8 C8#2 C21 C21#2 C102#3 C103 C103#2 C103#3 C104 C104#3 C106#3 C107 C107#2 C108 C108#2 C108#3 C109#3 C110 C110#2 C110#3 C112 C112#2 C112#3 C113#2 C113#3 C114 C114#2 C114#3 C115 C115#2 C116 C116#2 C116#3 C117 C117#3 C118 C118#3 C121 C123 C128 C203 C203#2 C206 C206#2 C207 C207#2 C210 C210#2 C213 C213#2 C214 C214#2 C217 C217#2 C218 C218#2 C219 C219#2 C222 C222#2 C223 C223#2 C225 C225#2 C227 C227#2 C228 C228#2 C229 C229#2 C230 C230#2 C231 C231#2 C232 C232#2 C233 C233#2 = -: LCSC: C1525
C9 C9#2 C12 C12#2 C13 C13#2 C16 C16#2 C101 C101#3 C102 C102#2 C201 C201#2 C202 C202#2 = -: Description: Unpolarized capacitor; LCSC: C96446
C10 C10#2 C11 C11#2 C17 C17#2 C18 C18#2 C19 C19#2 = -: Description: Unpolarized capacitor; LCSC: C15850
C14 C14#2 C15 C15#2 C111#2 = -: Description: Unpolarized capacitor; LCSC: C1525
C105 C105#3 C106 C106#2 C220 C220#2 C221 C221#2 = -: LCSC: C1555
C109 C109#2 C111 C111#3 C224 C224#2 C226 C226#2 = -: LCSC: C52923
C119 C120 C125-C127 = -: LCSC: C45783
C204 C204#2 C205 C205#2 C208 C208#2 C211 C211#2 C212 C212#2 C215 C215#2 = -: LCSC: C14858
D1 D1#2 D2 D2#2 D3 D3#2 D102 D102#2 D102#3 D103 D103#2 D103#3 D104 D104#2 D104#3 D105 D106 D107#3 D206 D206#2 D207 D207#2 D208 D208#2 = -: Datasheet: https://www.onsemi.com/pub/Collateral/ESD9B-D.PDF; LCSC: C7420372
D4 D4#2 D101 D101#3 D108#3 D205 D205#2 LED102 LED104 = -: LCSC: C2296
D5 D5#2 D106#2 D106#3 D109 D210 D210#2 = -: LCSC: C84256
D6 D6#2 D105#2 D105#3 D110#2 D209 D209#2 LED101 LED103 LED105 = -: LCSC: C2297
D7 D7#2 = -: Description: Schottky diode; LCSC: C191023
D101#2 D201 D201#2 D202 D202#2 D203 D203#2 D204 D204#2 = -: Datasheet: https://www.onsemi.com/pub/Collateral/ESD9B-D.PDF; Description: ESD protection diode, 5.0Vrwm, SOD-923; LCSC: C7420372
D107 D107#2 D108 D108#2 D109#2 D109#3 D110 D110#3 D111#2 D111#3 D112 D112#2 D113 D113#2 D114 D114#2 D115 D115#2 D116 D116#2 D117 D117#2 D118 D118#2 D119 D119#2 D120 D120#2 = -: Description: Light emitting diode
D111 = -: LCSC: C191023
F1 F1#2 F2 F2#2 F3 F3#2 = -: Description: Resettable fuse, polymeric positive temperature coefficient; LCSC: C883133
F101-F103 = -: LCSC: C883133
J5 J5#2 J6 J6#2 = -: Description: Generic connector, single row, 01x02, script generated (kicad-library-utils/schlib/autogen/connector/)
J101#3 J102 = -: LCSC: C2693813
J102#2 J102#3 = -: Description: Generic connectable mounting pin connector, single row, 01x04, script generated (kicad-library-utils/schlib/autogen/connector/)
L1 L1#2 = -: Description: Inductor; LCSC: C3033018
L101 = -: LCSC: C18830
L102 = -: LCSC: C3033018
LED1 LED1#2 LED3 LED3#2 = -: Description: Light emitting diode; LCSC: C2297
LED2 LED2#2 = -: Description: Light emitting diode; LCSC: C2296
MICRO_SD1 MICRO_SD1#2 MICRO_SD101 = -: Description: Standard Card Edge Connectors; MF: HRO Electronics Co., Ltd.; Package: Package; Price: None; SnapEDA_Link: https://www.snapeda.com/parts/TF-01A/HRO+Electronics+Co.%252C+Ltd./view-part/?ref=snap; Availability: Not in stock; Check_prices: https://www.snapeda.com/parts/TF-01A/HRO+Electronics+Co.%252C+Ltd./view-part/?ref=eda; LCSC: C5155563
Q101 Q102 = -: LCSC: C20917
Q103 Q104 Q107 Q109 = -: LCSC: C15127
Q105 Q106 = -: LCSC: C8326
Q108 = -: LCSC: C20526
R1 R1#2 R2 R2#2 R101#2 R102#3 R103 R103#3 R104 R104#2 R106 R107 R204 R204#2 R205 R205#2 = -: LCSC: C25768
R3 R3#2 R4 R4#2 R6 R6#2 R108 R109 R111#3 = -: LCSC: C25117
R5 R5#2 R7 R7#2 R101 R101#3 R109#2 R109#3 R110#3 R111 R111#2 R112#3 R117 R123#2 R127 R131 R202 R202#2 R210 R210#2 R212 R212#2 = -: LCSC: C25744
R8 R8#2 R9 R9#2 R104#3 R105 = -: LCSC: C25105
R10 R10#2 R11 R11#2 R129 R129#2 R201 R201#2 R214 R214#2 = -: LCSC: C25079
R12 R12#2 R13 R13#2 R16 R16#2 R22 R22#2 = -: Description: Resistor; LCSC: C11702
R14 R14#2 R17 R17#2 R19 R19#2 = -: Description: Resistor; LCSC: C25741
R15 R15#2 = -: Description: Resistor; LCSC: C25744
R18 R18#2 = -: Description: Resistor; LCSC: C247602
R20 R20#2 = -: Description: Resistor; LCSC: C25756
R21 R21#2 = -: Description: Resistor; LCSC: C25792
R102 R102#2 R105#2 R105#3 R108#2 R108#3 R110 R110#2 R112 R112#2 R113#3 R114 R114#2 R114#3 R115 R115#2 R115#3 R116 R116#3 R117#2 R117#3 R118#2 R118#3 R119 R129#3 R138 R203 R203#2 R206 R206#2 R209 R209#2 R211 R211#2 R213 R213#2 = -: LCSC: C11702
R103#2 = -: LCSC: C25077
R113 R113#2 R116#2 R119#2 R119#3 R120 R120#2 R121#2 R121#3 R122 R122#2 R123 R123#3 R124 R124#2 R125#2 R125#3 R126 R126#3 R127#2 R127#3 R128#2 R128#3 R136 = -: LCSC: C25792
R118 R120#3 R121 R122#3 R124#3 R125 R126#2 R128 R134 = -: LCSC: C25741
R130 R133 R137 = -: LCSC: C247602
R132 = -: LCSC: C23137
R135 = -: LCSC: C25756
R207 R207#2-R207#4 R208 R208#2-R208#4 = -: LCSC: C25092
RV1 RV1#2 = -: Description: Potentiometer; LCSC: C719176
RV101 = -: LCSC: C719176
SW2 SW2#2 = -: Description: Switch, single pole double throw
SW103 SW103#2 SW105 SW105#2 SW106 SW106#2 SW107 SW107#2 SW108 SW108#2 SW109 SW109#2 SW110 SW110#2 = -: Description: Momentary Switch, single pole double throw
Switch201 Switch201#2 Switch202 Switch202#2 = -: LCSC: C513494
U1 U1#2 = -: LCSC: C7719
U2 U2#2 U102#2 U102#3 U204 U204#2 = -: Datasheet: http://www.ti.com/lit/ds/symlink/sn65hvd230.pdf; LCSC: C12084
U3 U3#2 U106 = -: Datasheet: https://www.espressif.com/sites/default/files/documentation/esp32-s3-wroom-1_wroom-1u_datasheet_en.pdf
U4 U4#2 = -: LCSC: C128659
U5 U5#2 = -: Description: Single cell, Li-Ion/Li-Po charge management controller, 4.10V, 6h safety timer, 3.1V LBO threshold; LCSC: C511310
U6 U6#2 = -: Description: Wide input voltage (2V-16V) buck-boost converter; Availability: In Stock; Check_prices: https://www.snapeda.com/parts/TPS63070RNMR/Texas+Instruments/view-part/?ref=eda; MF: Texas Instruments; Package: VQFN-HR-15 Texas Instruments; Price: None; Purchase-URL: https://www.snapeda.com/api/url_track_click_mouser/?unipart_id=583017&manufacturer=Texas Instruments&part_name=TPS63070RNMR&search_term=None; SnapEDA_Link: https://www.snapeda.com/parts/TPS63070RNMR/Texas+Instruments/view-part/?ref=snap; LCSC: C109322
U7 U7#2 = -: Description: High-Side or Low-Side Measurement, Bi-Directional Current and Power Monitor (0-36V) with I2C Compatible Interface, VSSOP-10; LCSC: C49851
U8 U8#2 = -: Datasheet: https://www.nxp.com/docs/en/data-sheet/PCF8563.pdf; LCSC: C7440
U101 U101#3 U201 U201#2 = -: Datasheet: http://www.advanced-monolithic.com/pdf/ds1117.pdf; Description: 1A Low Dropout regulator, positive, 3.3V fixed output, SOT-223; LCSC: C6186
U101#2 = -: シンボル名: BME280; LCSC: C92489
U102 = -: Datasheet: https://www.nxp.com/docs/en/data-sheet/PCF8563.pdf; LCSC: C5795601
U103 U103#2 U205 U205#2 = -: Datasheet: http://www.winbond.com/resource-files/w25q128jv_dtr%20revc%2003272018%20plus.pdf; LCSC: C97521
U103#3 U202 U202#2 U203 U203#2 = -: Datasheet: https://dragon-torch.tech/wp-content/uploads/2023/05/data_sheet_Rev1.4.pdf
U104 U104#2 U206 U206#2 = -: Datasheet: https://datasheets.raspberrypi.com/rp2040/rp2040-datasheet.pdf; LCSC: C2040
U105 = -: LCSC: C130064
U107 = -: Datasheet: http://www.mouser.com/ds/2/268/22090a-52174.pdf; LCSC: C511310
U108 U109 U111 = -: Datasheet: http://www.ti.com/lit/ds/symlink/ina226.pdf; LCSC: C49851
U110 = -: Description: Wide input voltage (2V-16V) buck-boost converter; LCSC: C109322; MF: Texas Instruments; Package: VQFN-HR-15 Texas Instruments; Price: None; SnapEDA_Link: https://www.snapeda.com/parts/TPS63070RNMR/Texas+Instruments/view-part/?ref=snap; Purchase-URL: https://www.snapeda.com/api/url_track_click_mouser/?unipart_id=583017&manufacturer=Texas Instruments&part_name=TPS63070RNMR&search_term=None; Availability: In Stock; Check_prices: https://www.snapeda.com/parts/TPS63070RNMR/Texas+Instruments/view-part/?ref=eda
USB1 USB1#2 USB101 USB101#2 USB201 USB201#2 = -: Datasheet: https://www.usb.org/sites/default/files/documents/usb_type-c.zip; LCSC: C2856766
USB101#3 USB102 = -: Datasheet: https://www.usb.org/sites/default/files/documents/usb_type-c.zip; LCSC: C2982481
Y1 Y1#2 Y101 Y101#2 Y101#3 Y201 Y201#2 = -: LCSC: C9002

## Footprints (pads in the part's own frame, mm; a bottom-side part is the same pattern mirrored in y, then rotated)
ATGM332D-5N31
  rect 1.8x0.8 smd: 1(6.1,-7.6) 2(6.1,-6.5) 3(6.1,-5.4) 4(6.1,-4.3) 5(6.1,-3.2) 6(6.1,-2.1) 7(6.1,-1) 8(6.1,2) 9(6.1,3.1) 10(6.1,4.2) 11(6.1,5.3) 12(6.1,6.4) 13(-6.1,6.4) 14(-6.1,5.3) 15(-6.1,4.2) 16(-6.1,3.1) 17(-6.1,2) 18(-6.1,-1) 19(-6.1,-2.1) 20(-6.1,-3.2) 21(-6.1,-4.3) 22(-6.1,-5.4) 23(-6.1,-6.5) 24(-6.1,-7.6)
BME280
  rect 0.7x0.35 smd: 1(1.125,0.975) 2(1.125,0.325) 3(1.125,-0.325) 4(1.125,-0.975) 5(-1.125,-0.975) 6(-1.125,-0.325) 7(-1.125,0.325) 8(-1.125,0.975)
